# Altium PCB PCB-G-1.PcbDoc (part 1 of 2)
Units mil, origin at the board's own origin, x right, y up, seen from the top; angles counter-clockwise.
Board outline 4730 x 2580 mil, 2 copper layers (Top Layer, Bottom Layer); 90 components, 105 nets, 400 pads, 153 vias.
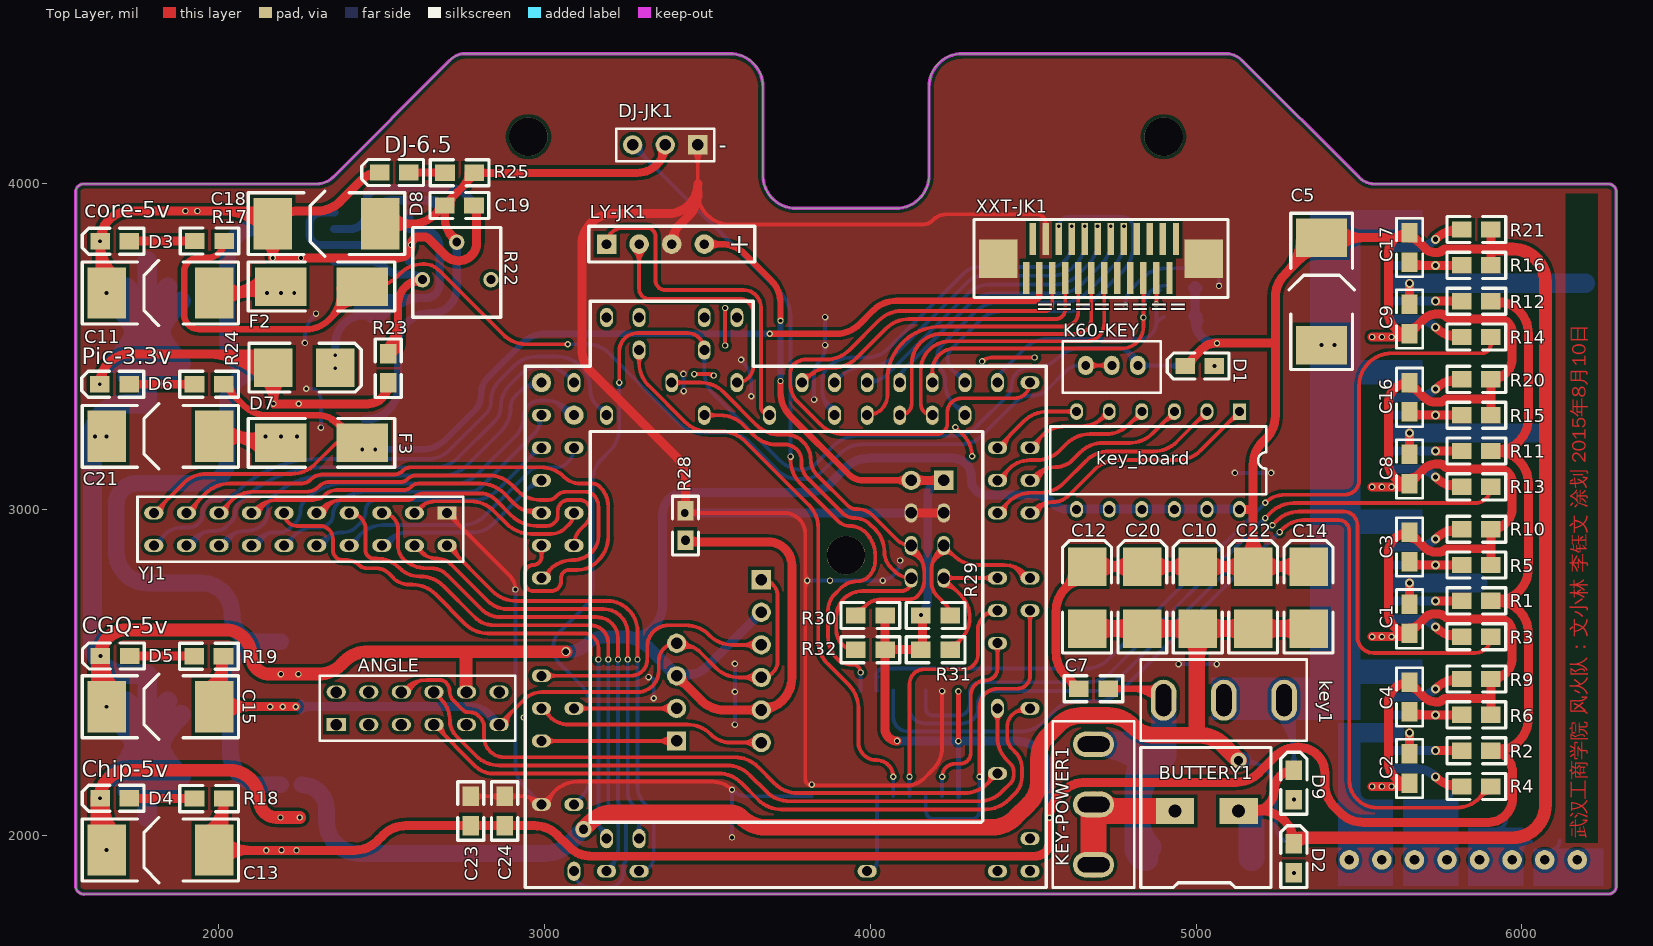
[diagram p0: Top Layer view]
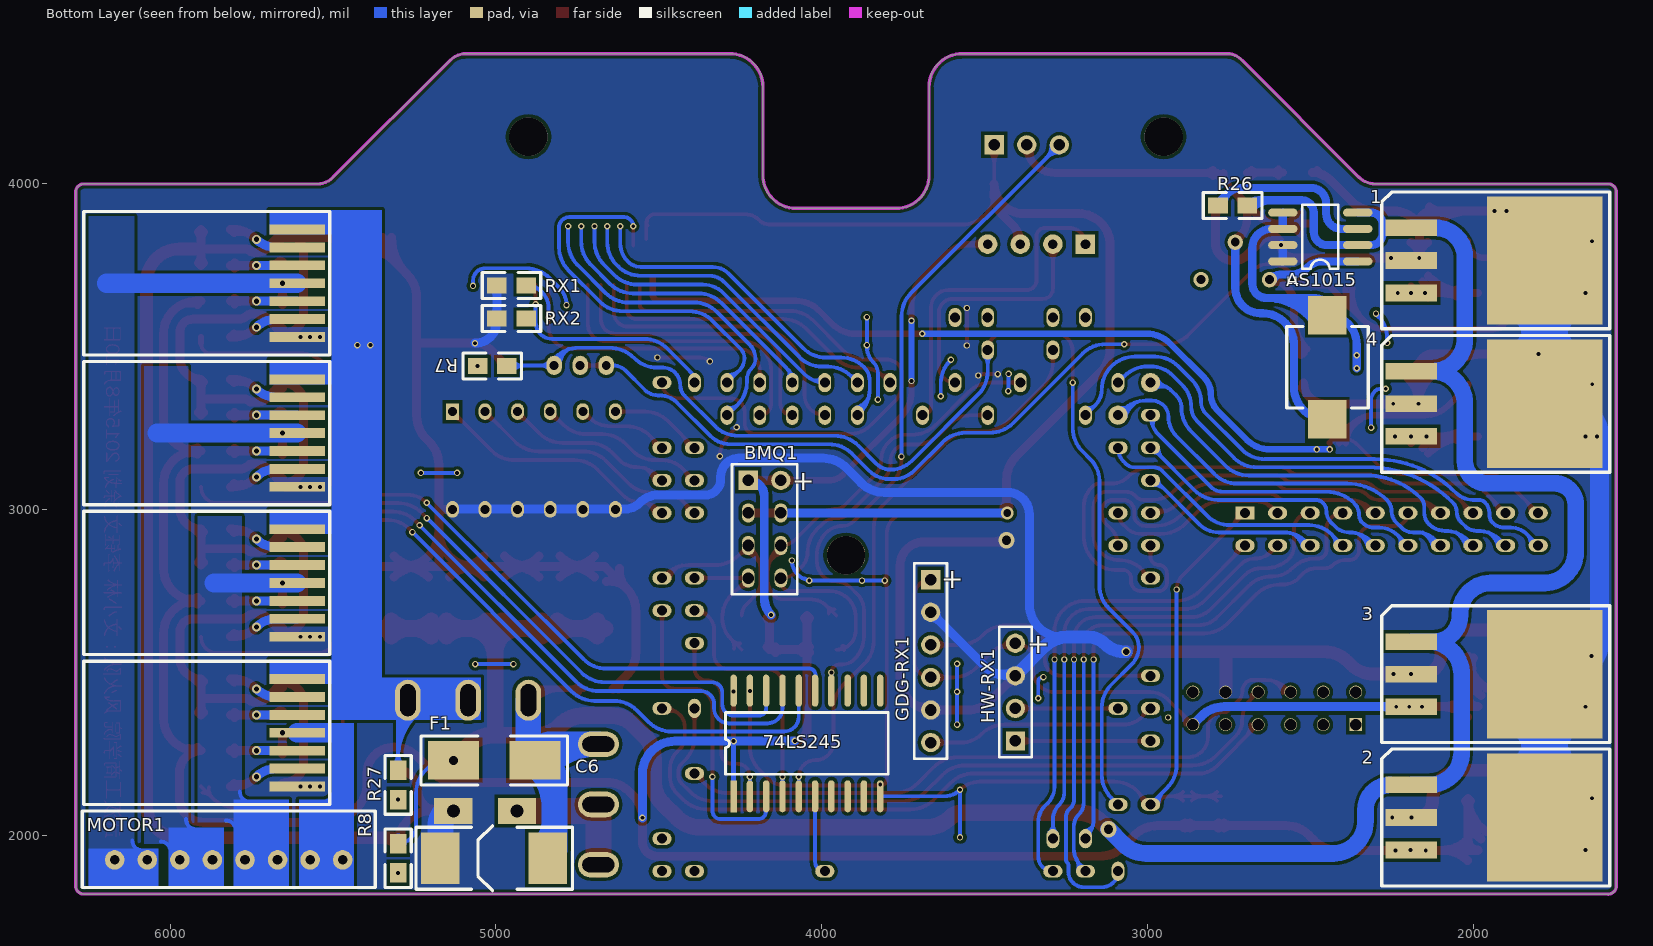
[diagram p1: Bottom Layer view, seen from below]

## Layer stack, top to bottom
Top Layer: signal copper 1.4
Dielectric: dielectric 12.6, FR-4, Dk 4.8
Bottom Layer: signal copper 1.4

## Board outline
3567.57,4400 3570,4400 cw(c3570,4300) 3670,4300 3670,4297.57 3670,4025 ccw(c3770,4025) 3770,3925 3771.83,3925 4077.57,3925 4080,3925 ccw(c4080,4025) 4180,4025 4180,4027.43 4180,4297.57 4180,4300 cw(c4280,4300) 4280,4400 4282.43,4400 5091.72,4400 cw(c5091.72,4331.72) 5140,4380 5500,4020 ccw(c5548.28,4068.28) 5548.28,4000 6265,4000 cw(c6265,3975) 6290,3975 6290,1845 cw(c6265,1845) 6265,1820 1584.68,1820 cw(c1584.68,1844.68) 1560,1844.68 1560,3975 cw(c1585,3975) 1585,4000 2300,4000 ccw(c2300,4072.43) 2351.21,4021.21 2712.32,4382.32 cw(c2755,4339.64) 2755,4400 3567.57,4400

## Design rules (kind name [scope] priority, off if disabled: settings)
Clearance [All] p1: gap=10
HoleSize [All] p1: absolutevalues=TRUE maxlimit=196.85 minlimit=11.81 maxpercent=80.000 minpercent=20.000
HoleToHoleClearance [All] p1: gap=0 allowstackedmicrovias=TRUE
MinimumSolderMaskSliver [All] p1: minsoldermaskwidth=0
PlaneConnect [All] p1: planeconnectstyle=Direct reliefexpansion=20 reliefentries=4 reliefconductorwidth=10 reliefairgap=10
PolygonConnect [All] p1: connectstyle=Direct reliefconductorwidth=10 reliefentries=4 polygonreliefangle="90 Angle"
RoomDefinition 主控板-国赛 [InComponentClass('主控板-国赛')] p1: confinementstyle=ConfineIn formatcopy=TRUE outline 6415,1320 1485,1320 1485,4505 6415,4505
RoutingVias [All] p1: holewidth=11.81 width=19.68 viastyle="Through Hole" minholewidth=11.81 minwidth=19.68 maxholewidth=157.48 maxwidth=196.85
SilkToSilkClearance [All] p1: silktosilkclearance=0
SilkscreenOverComponentPads [All] p1: minsilkscreentomaskgap=0
SolderMaskExpansion [All] p1: expansion=4
Width [All] p1: maxlimit=196.85 minlimit=11.81 preferedwidth=19.68
22 further rules are at their usual default settings.

## Components (designator, comment, footprint, x,y, rotation, side; value= is the part's Value field where it differs from the comment)
1 "LM2940CS-5.0" PCBComponent_1#1 1780,3765 r270 bottom
2 "LM2940CS-5.0" PCBComponent_1#1 1780,2055 r270 bottom
3 "LM2940CS-5.0" PCBComponent_1#1 1780,2495 r270 bottom
4 "LM2937CS-3.3V" PCBComponent_1#1 1780,3325 r270 bottom
74LS245 "SN74LS245DW" SN74HCxx-20P 4270,2105 r90 bottom (schematic designator 6)
ANGLE "Header 6X2" HDR2X6 2360,2340 r0 top
AS1015 "AS1015" SOIC-8(TPS7350) 2354,3762 r0 bottom (schematic designator 5)
BMQ1 "Header 4X2" HDR2X4 4225,3090 r270 bottom
BUTTERY1 "Header 2" 电源 5130,2075 r180 top
C1 "Cap" 0805 5655,2710 r270 top
C2 "Cap" 0805 5655,2250 r270 top
C3 "" 0805 5655,2930 r270 top
C4 "" 0805 5655,2470 r270 top
C5 "Cap" PCBComponent_1#2 5385,3525 r90 top
C6 "Cap" PCBComponent_1#2 4860,1930 r0 bottom
C7 "Cap Semi" 0805 4640,2450 r0 top
C8 "Cap" 0805 5655,3170 r270 top
C9 "Cap" 0805 5655,3630 r270 top
C10 "Cap Pol3" PCBComponent_1#3 5005,2635 r90 top
C11 "" PCBComponent_1#2 1965,3665 r180 top
C12 "Cap Pol3" PCBComponent_1#3 4665,2635 r90 top
C13 "" PCBComponent_1#2 1965,1955 r180 top
C14 "Cap Pol3" PCBComponent_1#3 5345,2635 r90 top
C15 "" PCBComponent_1#2 1965,2395 r180 top
C16 "" 0805 5655,3390 r270 top
C17 "" 0805 5655,3850 r270 top
C18 "Cap Pol3" PCBComponent_1#2 2475,3878 r180 top
C19 "Cap Semi" 0805 2693,3934 r0 top
C20 "Cap Pol3" PCBComponent_1#3 4835,2635 r90 top
C21 "Cap Pol3" PCBComponent_1#2 1965,3225 r180 top
C22 "Cap Pol3" PCBComponent_1#3 5175,2635 r90 top
C23 "Cap Semi" 0805 2773,2120 r270 top
C24 "Cap Semi" 0805 2877,2120 r270 top
D1 "LED0" PCBComponent_1#4 5056,3441 r180 top
D2 "LED0" PCBComponent_1#4 5300,1885 r90 top
D3 "LED0" PCBComponent_1#4 1725,3824 r180 top
D4 "LED0" PCBComponent_1#4 1725,2114 r180 top
D5 "LED0" PCBComponent_1#4 1726,2551 r180 top
D6 "LED0" PCBComponent_1#4 1724,3385 r180 top
D7 "IN5824" PCBComponent_1#3 2167,3436 r0 top
D8 "LED0" PCBComponent_1#4 2583,4035 r180 top
D9 "LED" PCBComponent_1#4 5300,2110 r90 top
DJ-JK1 "Header 3" HDR1X3 3470,4120 r180 top
F1 "Fuse 1" PCBComponent_1#5 4880,2230 r0 bottom
F2 "Fuse 1" PCBComponent_1#5 2190,3685 r0 top
F3 "Fuse 1" PCBComponent_1#5 2190,3205 r0 top
GDG-RX1 "Header 6" HDR1X6 3665,2785 r270 bottom
HW-RX1 "Header 4" HDR1X4 3405,2290 r90 bottom
key1 "开关" 扭子开关（3脚） 5085,2415 r0 top
KEY-POWER1 "Header 3" 扭子开关（3脚） 4685,2095 r90 top
key_board "SW DIP-6" DIP-12/SW 4883,3151 r180 top (schematic designator S1)
L1 "33uH(工字电感)" PCBComponent_1#6 2447,3437 r270 bottom
LY-JK1 "Header 4" PCBComponent_1#7 3190,3815 r0 top
MOTOR1 "Header 8" PCBComponent_1#8 6170,1925 r180 bottom
R1 "10k" 0805 5905,2720 r180 top
R2 "10k" 0805 5905,2260 r180 top
R3 "10k" 0805 5905,2610 r180 top
R4 "10k" 0805 5905,2150 r180 top
R5 "1K" 0805 5815,2830 r0 top
R6 "1k" 0805 5815,2370 r0 top
R7 "Res2" 0805 5056,3441 r180 bottom
R8 "Res2" 0805 5300,1885 r90 bottom
R9 "510" 0805 5815,2480 r0 top
R10 "510" 0805 5815,2940 r0 top
R11 "10k" 0805 5905,3180 r180 top
R12 "10K" 0805 5905,3640 r180 top
R13 "10k" 0805 5905,3070 r180 top
R14 "10K" 0805 5905,3530 r180 top
R15 "1K" 0805 5815,3290 r0 top
R16 "1k" 0805 5815,3750 r0 top
R17 "Res2" 0805 1926,3825 r0 top
R18 "Res2" 0805 1925,2113 r0 top
R19 "Res2" 0805 1924,2550 r0 top
R20 "510" 0805 5815,3400 r0 top
R21 "510" 0805 5815,3860 r0 top
R22 "Res Adj2" 卧式可变电阻器 2730,3716 r0 top
R23 "Res2" 0805 2520,3389 r90 top
R24 "Res2" 0805 1925,3385 r0 top
R25 "Res2" 0805 2694,4034 r0 top
R26 "Res2" 0805 2783,3934 r180 bottom
R27 "10K" 0805 5300,2200 r270 bottom
R28 "" 0805 3432,2906 r90 top
R29 "" 0805 4155,2675 r0 top
R30 "" 0805 4045,2675 r180 top
R31 "" 0805 4155,2570 r0 top
R32 "" 0805 4045,2570 r180 top
RX1 "" 0805 4997,3688 r180 bottom
RX2 "" 0805 4997,3587 r180 bottom
XXT-JK1 "Header 12X2" PCBComponent_1#9 4523,3666 r0 top
YJ1 "20脚双排座" HDR2X10 2700,2990 r180 top

## Footprints (in the part's own frame and the unit in brackets; to place one, negate y for a bottom-side part, rotate by r counter-clockwise, add the part's x,y. Pads: shape width x height; smd on the part's side, far side on the other; paste and mask are expansions set on the pad)
0805 [mil]
  rect 60x50 smd: 1(0,0) 2(90,0)
  silkscreen extent -45,-40 135,40
DIP-12/SW [mm]
  rect 1x1.3 hole 0.7: 1(-6.35,-3.81)
  oval 1x1.3 hole 0.7: 2(-3.81,-3.81) 3(-1.27,-3.81) 4(1.27,-3.81) 5(3.81,-3.81) 6(6.35,-3.81) 7(6.35,3.81) 8(3.81,3.81) 9(1.27,3.81) 10(-1.27,3.81) 11(-3.81,3.81) 12(-6.35,3.81)
  silkscreen extent -8.43,-2.65 8.41,2.65
HDR1X3 [mm]
  rect 1.5x1.5 hole 0.9: 1(0,0)
  round 1.5 hole 0.9: 2(2.54,0) 3(5.08,0)
  silkscreen extent -1.27,-1.27 6.35,1.27
HDR1X4 [mm]
  rect 1.5x1.5 hole 0.9: 1(0,0)
  round 1.5 hole 0.9: 2(2.54,0) 3(5.08,0) 4(7.62,0)
  silkscreen extent -1.27,-1.27 8.89,1.27
HDR1X6 [mm]
  rect 1.5x1.5 hole 0.9: 1(0,0)
  round 1.5 hole 0.9: 2(2.54,0) 3(5.08,0) 4(7.62,0) 5(10.16,0) 6(12.7,0)
  silkscreen extent -1.27,-1.27 13.97,1.27
HDR2X4 [mm]
  rect 1.5x1.5 hole 0.9: 1(0,0)
  round 1.5 hole 0.9: 2(0,2.54)
  oval 1.5x1 hole 0.9: 3(2.54,0) 4(2.54,2.54) 5(5.08,0) 6(5.08,2.54) 7(7.62,0) 8(7.62,2.54)
  silkscreen extent -1.27,-1.27 8.89,3.81
HDR2X6 [mm]
  rect 1.5x1 / inner rect 1x1 / far side rect 1x1 hole 0.9: 1(0,0)
  oval 1.5x1 / inner round 1 / far side round 1 hole 0.9: 2(0,2.54) 3(2.54,0) 4(2.54,2.54) 5(5.08,0) 6(5.08,2.54) 7(7.62,0) 8(7.62,2.54) 9(10.16,0) 10(10.16,2.54) 11(12.7,0) 12(12.7,2.54)
  silkscreen extent -1.27,-1.27 13.97,3.81
HDR2X10 [mm]
  rect 1.5x1 hole 0.778: 1(0,0)
  oval 1.5x1 hole 0.778: 2(0,2.54) 3(2.54,0) 4(2.54,2.54) 5(5.08,0) 6(5.08,2.54) 7(7.62,0) 8(7.62,2.54) 9(10.16,0) 10(10.16,2.54) 11(12.7,0) 12(12.7,2.54) 13(15.24,0) 14(15.24,2.54) 15(17.78,0) 16(17.78,2.54) 17(20.32,0) 18(20.32,2.54) 19(22.86,0) 20(22.86,2.54)
  silkscreen extent -1.27,-1.27 24.13,3.81
PCBComponent_1#1 [mm]
  rect 1.3x4 smd: 1(-2.54,-10.414) 2(0,-10.414) 3(2.54,-10.414)
  rect 10x9 smd: 4(0,0)
  silkscreen extent -5.33,-12.7 5.33,5.08, body extent -5.08,-5.72 5.08,3.43, height 3.81
PCBComponent_1#2 [mm]
  rect 3x4 smd: 1(-0.508,0) 2(7.874,0)
  silkscreen extent -2.41,-2.54 9.78,2.54, body extent 0,-2.03 7.62,2.03, height 2.54
PCBComponent_1#3 [mm]
  rect 3x3 smd: 1(0,0) 2(4.826,0)
  silkscreen extent -1.91,-1.91 6.86,1.91
PCBComponent_1#4 [mm]
  rect 1.524x1.27 smd: 1(0,0) 2(2.286,0)
  silkscreen extent -1.14,-1.02 3.68,1.02
PCBComponent_1#5 [mm]
  rect 4x3 smd: 1(0,0) 2(6.35,0)
  silkscreen extent -2.54,-1.91 8.89,1.91
PCBComponent_1#6 [mm]
  rect 3x3 smd: 1(-4.064,0) 2(4.064,0)
  silkscreen extent -3.18,-3.18 3.18,3.18
PCBComponent_1#7 [mm]
  rect 1.524x1.524 hole 0.762: 1(0,0)
  round 1.524 hole 0.762: 2(2.54,0) 3(5.08,0) 4(7.62,0)
  silkscreen extent -1.4,-1.4 11.56,1.4
PCBComponent_1#8 [mm]
  round 1.524 hole 0.762: 1(0,0) 2(2.54,0) 3(5.08,0) 4(7.62,0) 5(10.16,0) 6(12.7,0) 7(15.24,0) 8(17.78,0)
  silkscreen extent -2.54,-2.16 20.32,3.81
PCBComponent_1#9 [mm]
  rect 0.5x2.5 smd: 1(-1.143,1.143) 2(-0.635,4.191) 3(-0.127,1.143) 4(0.381,4.191) 5(0.889,1.143) 6(1.397,4.191) 7(1.905,1.143) 8(2.413,4.191) 9(2.921,1.143) 10(3.429,4.191) 11(3.937,1.143) 12(4.445,4.191) 13(4.953,1.143) 14(5.461,4.191) 15(5.969,1.143) 16(6.477,4.191) 17(6.985,1.143) 18(7.493,4.191) 19(8.001,1.143) 20(8.509,4.191) 21(9.017,1.143) 22(9.525,4.191) 23(10.033,1.143) 24(10.541,4.191)
  rect 3x3 smd: ""(-3.302,2.667) ""(12.7,2.667)
  silkscreen extent -5.21,-0.38 14.6,5.71
SN74HCxx-20P [mm]
  rect 2.5x0.5 smd: 1(0.381,0)
  oval 2.5x0.5 smd: 2(0.381,-1.27) 3(0.381,-2.54) 4(0.381,-3.81) 5(0.381,-5.08) 6(0.381,-6.35) 7(0.381,-7.62) 8(0.381,-8.89) 9(0.381,-10.16) 10(0.381,-11.43) 11(8.619,-11.43) 12(8.619,-10.16) 13(8.619,-8.89) 14(8.619,-7.62) 15(8.619,-6.35) 16(8.619,-5.08) 17(8.619,-3.81) 18(8.619,-2.54) 19(8.619,-1.27) 20(8.619,0)
  silkscreen extent 2.08,-12.06 6.92,0.63
SOIC-8(TPS7350) [mil]
  oval 90x25 smd: 1(0,0) 2(0,-50) 3(0,-100) 4(0,-150) 5(230,-150) 6(230,-100) 7(230,-50) 8(230,0)
  silkscreen extent 60,-173 170,23
卧式可变电阻器 [mm]
  round 1.2 hole 0.7: 1(-2.667,-0.254) 2(0,2.667) 3(2.667,-0.254)
  silkscreen extent -3.43,-3.17 3.43,3.81
扭子开关（3脚） [mm]
  oval 2x3.2 hole 1.2 slot 2.5 at 90 deg: 1(-4.699,0) 2(0,0) 3(4.699,0)
  silkscreen extent -6.48,-3.17 6.48,3.17
电源 [mm]
  rect 3x2 hole 1: 1(0,0) 2(4.953,0)
  silkscreen extent -2.54,-4.95 7.62,5.97

## Part data
1 2 3 4: library part LM29
74LS245: library part SN74L
ANGLE: "Header, 6-Pin, Dual row"
BMQ1: "Header, 4-Pin, Dual row"
DJ-JK1: "Header, 3"
GDG-RX1: "Header, 6"
HW-RX1: "Header, 4"
YJ1: library part "Header 10X2", "Header, 10-Pin, Dual row"

## Free pads (board coordinates)
  round 118.11 hole 118.11: 0(2950,4145) 0(3925,2860) 0(3985,-7950) 0(4900,4145) 0(4960,-9235) 0(5935,-7950)
  oval 59.06x39.37 hole 30.62: 1(2990,3190) 2(3090,3190) 3(2990,3090) 5(2990,2990) 6(3090,2990) 7(2990,2890) 8(3090,2890) 9(2990,2790) 15(2990,2490) 17(2990,2390) 18(3090,2390) 19(2990,2290) 23(2990,2095) 24(3090,2095) 29(3190,1890) 31(3290,1890) 45(3990,1890) 53(4390,1890) 55(4490,1890) 56(4490,1990) 60(4390,2190) 63(4490,2390) 68(4390,2590) 69(4490,2690) 70(4390,2690) 71(4490,2790) 72(4390,2790) 75(4490,2990) 76(4390,2990) 77(4490,3090) 78(4390,3090) 79(4490,3190) 80(4390,3190) 81(4490,3390) 112(2990,3290)
  oval 47.24x59.06 hole 27.56: 1(4661,3443) 2(4741,3443) 3(4821,3443)
  rect 170.85x30 smd far side: 1(5610,2150) 1(5610,2610) 1(5610,3070) 1(5610,3530) 2(5610,2205) 2(5610,2665) 2(5610,3125) 2(5610,3585) 3(5610,2260) 3(5610,2720) 3(5610,3180) 3(5610,3640) 4(5610,2315) 4(5610,2775) 4(5610,3235) 4(5610,3695) 5(5610,2370) 5(5610,2830) 5(5610,3290) 5(5610,3750) 6(5610,2425) 6(5610,2885) 6(5610,3345) 6(5610,3805) 7(5610,2480) 7(5610,2940) 7(5610,3400) 7(5610,3860)
  oval 39.37x59.06 hole 30.62: 27(3090,1890) 30(3190,1990) 32(3290,1990) 64(4390,2390) 83(4390,3390) 85(4290,3390) 86(4290,3290) 87(4190,3390) 88(4190,3290) 89(4090,3390) 90(4090,3290) 91(3990,3390) 92(3990,3290) 93(3890,3390) 94(3890,3290) 95(3790,3390) 98(3690,3290) 99(3590,3390) 102(3490,3290) 103(3390,3390) 108(3190,3290) 109(3090,3390) 114(3190,3590) 115(3290,3490) 116(3290,3590) 119(3490,3490) 120(3490,3590) 122(3590,3590)
  round 59.06 hole 30.62: 110(3090,3290) 111(2990,3390)

## Via types
v1: diameter 19.68, hole 11.81, Top Layer to Bottom Layer, tented both sides, 128 vias
v2: diameter 27.56, hole 15.75, Top Layer to Bottom Layer, tented both sides, 20 vias
v3: diameter 50, hole 28, Top Layer to Bottom Layer, tented both sides, 3 vias
v4: diameter 27.56, hole 19.68, Top Layer to Bottom Layer, tented both sides, 1 vias
v5: diameter 39.37, hole 23.62, Top Layer to Bottom Layer, tented both sides, 1 vias

## Nets (pads, with @x,y where several pads share a name; then routed paths per layer and width w, separated by ;. In a path a pad name is that pad's centre, name@x,y a point inside that pad or via, vN(x,y) a via of type N, cw(c..) or ccw(c..) an arc to the next point about the centre after c; other vN are vias at no path point)
AGND: 1.2 1.4 2.2 2.4 3.2 3.4 4.2 4.4 ANGLE.10 AS1015.7 AS1015.8 BUTTERY1.1 C1.2 C2.2 C3.1 C4.1 C5.2 C6.2 C7.1 C8.2 C9.2 C10.2 C11.2 C12.2 C13.2 C14.2 C15.2 C16.1 C17.1 C18.2 C19.2 C20.2 C21.2 C22.2 D1.2 D2.2 D3.2 D4.2 D5.2 D6.2 D7.1 D8.2 D9.2 GDG-RX1.2 GDG-RX1.5 HW-RX1.3 key_board.7 key_board.8 key_board.9 key_board.10 key_board.11 key_board.12 pad.1@5610,2150 pad.1@5610,2610 pad.1@5610,3070 pad.1@5610,3530 R5.2 R6.2 R9.2 R10.2 R15.2 R16.2 R20.2 R21.2 R23.1 R28.1 RX1.1 RX2.1 | length 34003.9
  Top Layer w11.81: v1(3459,3416) 3509.34,3416 cw(c3509.34,3402.34) v1(3519,3412) ; 3499.84,3416 cw(c3499.84,3392.84) v1@3516.22,3409.22 ; v1(3554,3504) v1(3554,3619) ; v1(4261,3253) 4285.13,3228.87 cw(c4220.26,3164) v1(4312,3164) ; v1(4343,3455) cw(c4371.97,3426.03) 4371.97,3467 v1(4504,3467)
  Top Layer w27.56: C11.2@1622.99,3716.7 ccw(c1593.98,3745.71) 1635,3745.71 ; D3.2@1627.07,3816.07 cw(c1607.91,3796.91) 1635,3796.91 cw(c1662.09,3796.91) D3.2@1642.93,3816.07 ; D3.2@1630.95,3809.34 cw(c1644.49,3817.16) D3.2@1631.81,3826.3 ; v1(1634,3385) cw(c1727,3385) 1727,3478 v1(1799,3478) 2125,3478 cw(c2125,3436) D7.1@2167,3436 v1(2167,3325) v1(2245,3325) 2456,3325 ccw(c2456,3389) R23.1@2520,3389 ; 1635,3765.18 ccw(c1722.03,3765.18) C11.2@1666.34,3698.3 ; D3.2@1638.19,3826.3 cw(c1625.51,3817.16) D3.2@1639.05,3809.34 ; 1644.29,3423.42 ccw(c1685.76,3412.31) D6.2@1648.69,3390.66 ; 1645.29,3862.42 ccw(c1686.76,3851.31) D3.2@1649.69,3829.66 ; v1(1655,3665) cw(c1655,3685) 1635,3685 v1(1635,3824) ; C11.2@1683.97,3719.48 cw(c1771.01,3823.99) v1(1635,3824) ; 1956.3,3478 cw(c1956.3,3225.3) 2134.99,3403.99 cw(c2057.7,3326.7) 2167,3326.7 cw(c2276.3,3326.7) D7.1@2199.01,3403.99 ; 2009.06,3917 cw(c2009.06,3741.75) C18.2@2132.99,3865.67 ; 2022.83,3478 cw(c2022.83,3291.83) D7.1@2154.47,3423.47 ; 2075.6,3917 cw(c2075.6,3808.28) C18.2@2152.47,3885.16 ; 2089.37,3478 cw(c2089.37,3358.37) D7.1@2173.96,3442.96 ; 2102.33,3917 ccw(c2102.33,3960.36) C18.2@2132.99,3929.7 ; C18.2@2133,3910 cw(c2133,3878) C18.2@2165,3878 ; C18.2@2139.62,3820.82 cw(c2107.26,3773) v1(2165,3773) ; C18.2@2190.38,3820.82 ccw(c2222.74,3773) v1(2165,3773) ; 2459.15,4025.93 ccw(c2451,4056.36) D8.2@2478.28,4040.61 ; D8.2@2493,4035 ccw(c2493,3957.75) 2438.37,4012.37 2372.29,3946.29 cw(c2301.58,4017) 2301.58,3917 2245.42,3917 ccw(c2245.42,3817) 2174.71,3887.71 C18.2@2165,3878 ; 2510.93,3355.15 cw(c2541.36,3347) R23.1@2525.61,3374.28 ; C19.2@2780.07,3926.07 cw(c2753.67,3899.67) 2791,3899.67 ; C19.2@2783,3934 cw(c2783,3926) 2791,3926 2791,3819 cw(c2736,3819) 2736,3764 cw(c2736,3821.94) 2695.03,3780.97 2645.36,3830.64 ccw(c2630,3815.27) 2630,3837 2609.24,3837 ccw(c2609.24,3826.76) 2602,3834 2596.36,3828.36 ccw(c2611.73,3813) v1(2590,3813) cw(c2550,3813) 2550,3773 v1(2252,3773) v1(2165,3773) ; HW-RX1.3@3405,2474.25 cw(c3405,2436.23) 3431.88,2463.12 cw(c3458.77,2490) HW-RX1.3@3420.75,2490 ; HW-RX1.3@3405,2490 3480.71,2414.29 ccw(c3551.42,2485) 3551.42,2385 3659,2385 ccw(c3659,2485) 3759,2485 3759,2828 ccw(c3686,2828) 3686,2901 3437,2901 cw(c3437,2906) v3(3432,2906) ; R28.1@3439.93,2893.07 cw(c3459.09,2873.91) 3459.09,2901 cw(c3459.09,2928.09) R28.1@3439.93,2908.93 ; R28.1@3439.93,2913.93 ccw(c3471.16,2945.16) 3471.16,2901 ; GDG-RX1.5@3653.86,2373.86 ccw(c3626.98,2346.98) 3626.98,2385 ccw(c3626.98,2423.02) GDG-RX1.5@3653.86,2396.14 ; GDG-RX1.5@3672.87,2398.64 ccw(c3689.23,2426.97) 3697.7,2395.37 ; GDG-RX1.5@3678.64,2377.13 cw(c3716.16,2355.47) 3704.94,2397.31 ; 4612.31,2477.69 cw(c4584.62,2450) C7.1@4623.78,2450 ; C12.2@4620.06,2819.52 cw(c4547.87,2810.72) 4599.29,2759.29 ; C7.1@4640,2450 4599.29,2490.71 cw(c4670,2561.42) 4570,2561.42 4570,2688.58 cw(c4670,2688.58) 4599.29,2759.29 ; C12.2@4659.52,2780.06 ccw(c4650.72,2707.87) 4599.29,2759.29 ; C12.2@4697.01,2792.99 cw(c4774.31,2715.7) 4774.31,2825 cw(c4774.31,2934.3) C12.2@4697.01,2857.01 ; C20.2@4802.99,2792.99 ccw(c4725.69,2715.7) 4725.69,2825 ccw(c4725.69,2934.3) C20.2@4802.99,2857.01 ; C20.2@4867.01,2792.99 cw(c4944.31,2715.7) 4944.31,2825 cw(c4944.31,2934.3) C20.2@4867.01,2857.01 ; D1.2@4966,3441 5020.45,3495.45 cw(c5058,3457.89) 5058,3511 5240.59,3511 ccw(c5240.59,3514.41) 5243,3512 ; C10.2@4972.99,2792.99 ccw(c4895.69,2715.7) 4895.69,2825 ccw(c4895.69,2934.3) C10.2@4972.99,2857.01 ; D1.2@4982.22,3441 cw(c5021.38,3441) 4993.69,3468.69 ; C10.2@5037.01,2792.99 cw(c5114.31,2715.7) 5114.31,2825 cw(c5114.31,2934.3) C10.2@5037.01,2857.01 ; BUTTERY1.1@5130,2075 BUTTERY1.1@5175,2075 ; key_board.12@5133,3001 5175,3001 ; C22.2@5142.99,2792.99 ccw(c5065.69,2715.7) 5065.69,2825 ccw(c5065.69,2934.3) 5142.99,2857.01 ccw(c5065.69,2934.3) 5175,2934.3 ccw(c5284.31,2934.3) 5207.01,2857.01 ccw(c5284.31,2934.3) 5284.31,2825 ccw(c5284.31,2715.7) C22.2@5207.01,2792.99 ; BUTTERY1.1@5170.37,2059.93 cw(c5200,2038.34) 5200,2075 ; BUTTERY1.1@5170.37,2090.07 ccw(c5200,2111.66) 5200,2075 ; BUTTERY1.1@5170.39,2090.03 ccw(c5190.2,2104.41) 5196.54,2080.77 ; BUTTERY1.1@5171.85,2062.2 cw(c5205.98,2042.5) 5195.78,2080.57 ; 5274.11,3724.11 ccw(c5163.21,3835) C5.2@5320.04,3835 ; 5290.93,2008.85 ccw(c5321.36,2017) D2.2@5305.61,1989.72 ; D9.2@5300,2200 ccw(c5300,2140) 5240,2140 cw(c5175,2140) BUTTERY1.1@5175,2075 ; C14.2@5312.99,2792.99 ccw(c5235.69,2715.7) 5235.69,2825 ccw(c5235.69,2934.3) C14.2@5312.99,2857.01 ; D2.2@5318,1993 ccw(c5318,1975) D2.2@5300,1975 ccw(c5200,1975) 5200,2075 ; 5321.15,3771.15 ccw(c5257.3,3835) C5.2@5347.6,3835 ; 5321.63,3771.63 cw(c5365.31,3727.94) C5.2@5365.31,3789.72 ; C14.2@5345,2825 C22.2@5175,2825 ; C5.2@5436.7,3802.99 cw(c5513.99,3725.7) 5513.99,3835 cw(c5513.99,3944.3) C5.2@5436.7,3867.01 ; v1(5540,2150) 5645,2150 ccw(c5645,2160) C2.2@5655,2160 cw(c5655,2225) 5590,2225 5590,2405 cw(c5655,2405) C4.1@5655,2470 ; v1(5540,2610) 5645,2610 ccw(c5645,2620) C1.2@5655,2620 ; v1(5540,3070) 5645,3070 ccw(c5645,3080) C8.2@5655,3080 ; v1(5540,3530) 5645,3530 ccw(c5645,3540) C9.2@5655,3540 ; 5615.84,2150 ccw(c5615.84,2194.16) C2.2@5647.07,2162.93 ; 5615.84,2610 ccw(c5615.84,2654.16) C1.2@5647.07,2622.93 ; 5615.84,3070 ccw(c5615.84,3114.16) C8.2@5647.07,3082.93 ; 5615.84,3530 ccw(c5615.84,3574.16) C9.2@5647.07,3542.93 ; C17.1@5645.91,3851.57 cw(c5613.47,3875.03) 5613.47,3835 ; C4.1@5655,2453.78 cw(c5655,2414.62) 5682.69,2442.31 ; C1.2@5655,2636.22 ccw(c5655,2675.38) 5682.69,2647.69 ; C3.1@5655,2913.78 cw(c5655,2874.62) 5682.69,2902.31 ; C8.2@5655,3096.22 ccw(c5655,3135.38) 5682.69,3107.69 ; C16.1@5655,3373.78 cw(c5655,3334.62) 5682.69,3362.31 ; C9.2@5655,3556.22 ccw(c5655,3595.38) 5682.69,3567.69 ; C17.1@5655,3833.78 cw(c5655,3794.62) 5682.69,3822.31 ; C4.1@5663.54,2466.46 ccw(c5655,2457.93) C4.1@5655,2470 ; R6.2@5897.07,2377.93 ccw(c5877.91,2397.09) 5905,2397.09 ccw(c5932.09,2397.09) R6.2@5912.93,2377.93 ; R9.2@5897.07,2472.07 cw(c5877.91,2452.91) 5905,2452.91 cw(c5932.09,2452.91) R9.2@5912.93,2472.07 ; R5.2@5897.07,2837.93 ccw(c5877.91,2857.09) 5905,2857.09 ccw(c5932.09,2857.09) R5.2@5912.93,2837.93 ; R10.2@5897.07,2932.07 cw(c5877.91,2912.91) 5905,2912.91 cw(c5932.09,2912.91) R10.2@5912.93,2932.07 ; R15.2@5897.07,3297.93 ccw(c5877.91,3317.09) 5905,3317.09 ccw(c5932.09,3317.09) R15.2@5912.93,3297.93 ; R20.2@5897.07,3392.07 cw(c5877.91,3372.91) 5905,3372.91 cw(c5932.09,3372.91) R20.2@5912.93,3392.07 ; R16.2@5897.07,3757.93 ccw(c5877.91,3777.09) 5905,3777.09 ccw(c5932.09,3777.09) R16.2@5912.93,3757.93 ; R21.2@5897.07,3852.07 cw(c5877.91,3832.91) 5905,3832.91 cw(c5932.09,3832.91) R21.2@5912.93,3852.07 ; R6.2@5905,2370 5905,2420 ; R5.2@5905,2830 5905,2880 ; R15.2@5905,3290 5905,3340 ; R16.2@5905,3750 5905,3800 ; R21.2@5905,3860 5905,3800 ; R9.2@5919.72,2474.39 cw(c5947,2458.64) 5938.85,2489.07 ; R10.2@5919.72,2934.39 cw(c5947,2918.64) 5938.85,2949.07 ; R20.2@5919.72,3394.39 cw(c5947,3378.64) 5938.85,3409.07 ; v1(1635,3824) cw(c1728,3824) 1728,3917 v1(1897,3917) v1(1934,3917) 2126,3917 cw(c2126,3878) C18.2@2165,3878 ; v1(2165,3773) C18.2@2165,3878 ; 4599.29,2759.29 C12.2@4665,2825 C20.2@4835,2825 C10.2@5005,2825 C22.2@5175,2825 ; BUTTERY1.1@5175,2075 5200,2075 ; C22.2@5175,2825 5175,3001 ; 5175,3001 5175,3137.58 cw(c5275,3137.58) 5204.29,3208.29 5213.71,3217.71 ccw(c5143,3288.42) 5243,3288.42 5243,3512 ; 5243,3512 5243,3651.58 cw(c5343,3651.58) 5272.29,3722.29 C5.2@5385,3835 5613.47,3835 ; 5613.47,3835 cw(c5655,3785) C17.1@5655,3850 ; 5613.47,3835 ccw(c5655,3785) 5590,3785 5590,3605 ccw(c5655,3605) C9.2@5655,3540 ; 5613.47,3835 5640,3835 ccw(c5640,3850) C17.1@5655,3850 ; C4.1@5655,2470 5700.86,2424.14 ccw(c5735,2458.28) 5735,2410 5742.93,2410 ccw(c5742.93,2427.07) 5755,2415 cw(c5767.07,2402.93) 5767.07,2420 5905,2420 ; C1.2@5655,2620 cw(c5655,2685) 5590,2685 5590,2865 cw(c5655,2865) C3.1@5655,2930 5700.86,2884.14 ccw(c5735,2918.28) 5735,2870 5747.93,2870 ccw(c5747.93,2887.07) 5760,2875 cw(c5772.07,2862.93) 5772.07,2880 5905,2880 ; C1.2@5655,2620 5704.39,2669.39 cw(c5730,2643.79) 5730,2680 5740.86,2680 cw(c5740.86,2645.86) 5765,2670 ccw(c5777.07,2682.07) 5777.07,2665 5930,2665 cw(c5930,2625) 5970,2625 5970,2545 cw(c5905,2545) R9.2@5905,2480 5905,2420 ; C8.2@5655,3080 cw(c5655,3145) 5590,3145 5590,3325 cw(c5655,3325) C16.1@5655,3390 5700.86,3344.14 ccw(c5735,3378.28) 5735,3330 5747.93,3330 ccw(c5747.93,3347.07) 5760,3335 cw(c5772.07,3322.93) 5772.07,3340 5905,3340 ; C8.2@5655,3080 5700.86,3125.86 cw(c5735,3091.72) 5735,3140 5747.93,3140 cw(c5747.93,3122.93) 5760,3135 ccw(c5784.14,3159.14) 5784.14,3125 5930,3125 cw(c5930,3085) 5970,3085 5970,3005 cw(c5905,3005) R10.2@5905,2940 5905,2880 ; C9.2@5655,3540 5700.86,3585.86 cw(c5735,3551.72) 5735,3600 5752.93,3600 cw(c5752.93,3582.93) 5765,3595 ccw(c5789.14,3619.14) 5789.14,3585 5930,3585 cw(c5930,3545) 5970,3545 5970,3465 cw(c5905,3465) R20.2@5905,3400 5905,3340 ; C17.1@5655,3850 5704.39,3800.61 ccw(c5730,3826.21) 5730,3790 5742.93,3790 ccw(c5742.93,3807.07) 5755,3795 cw(c5767.07,3782.93) 5767.07,3800 5905,3800